# Altium PCB P-MT3620RDB-1-7.PcbDoc (part 2 of 4) (continued)
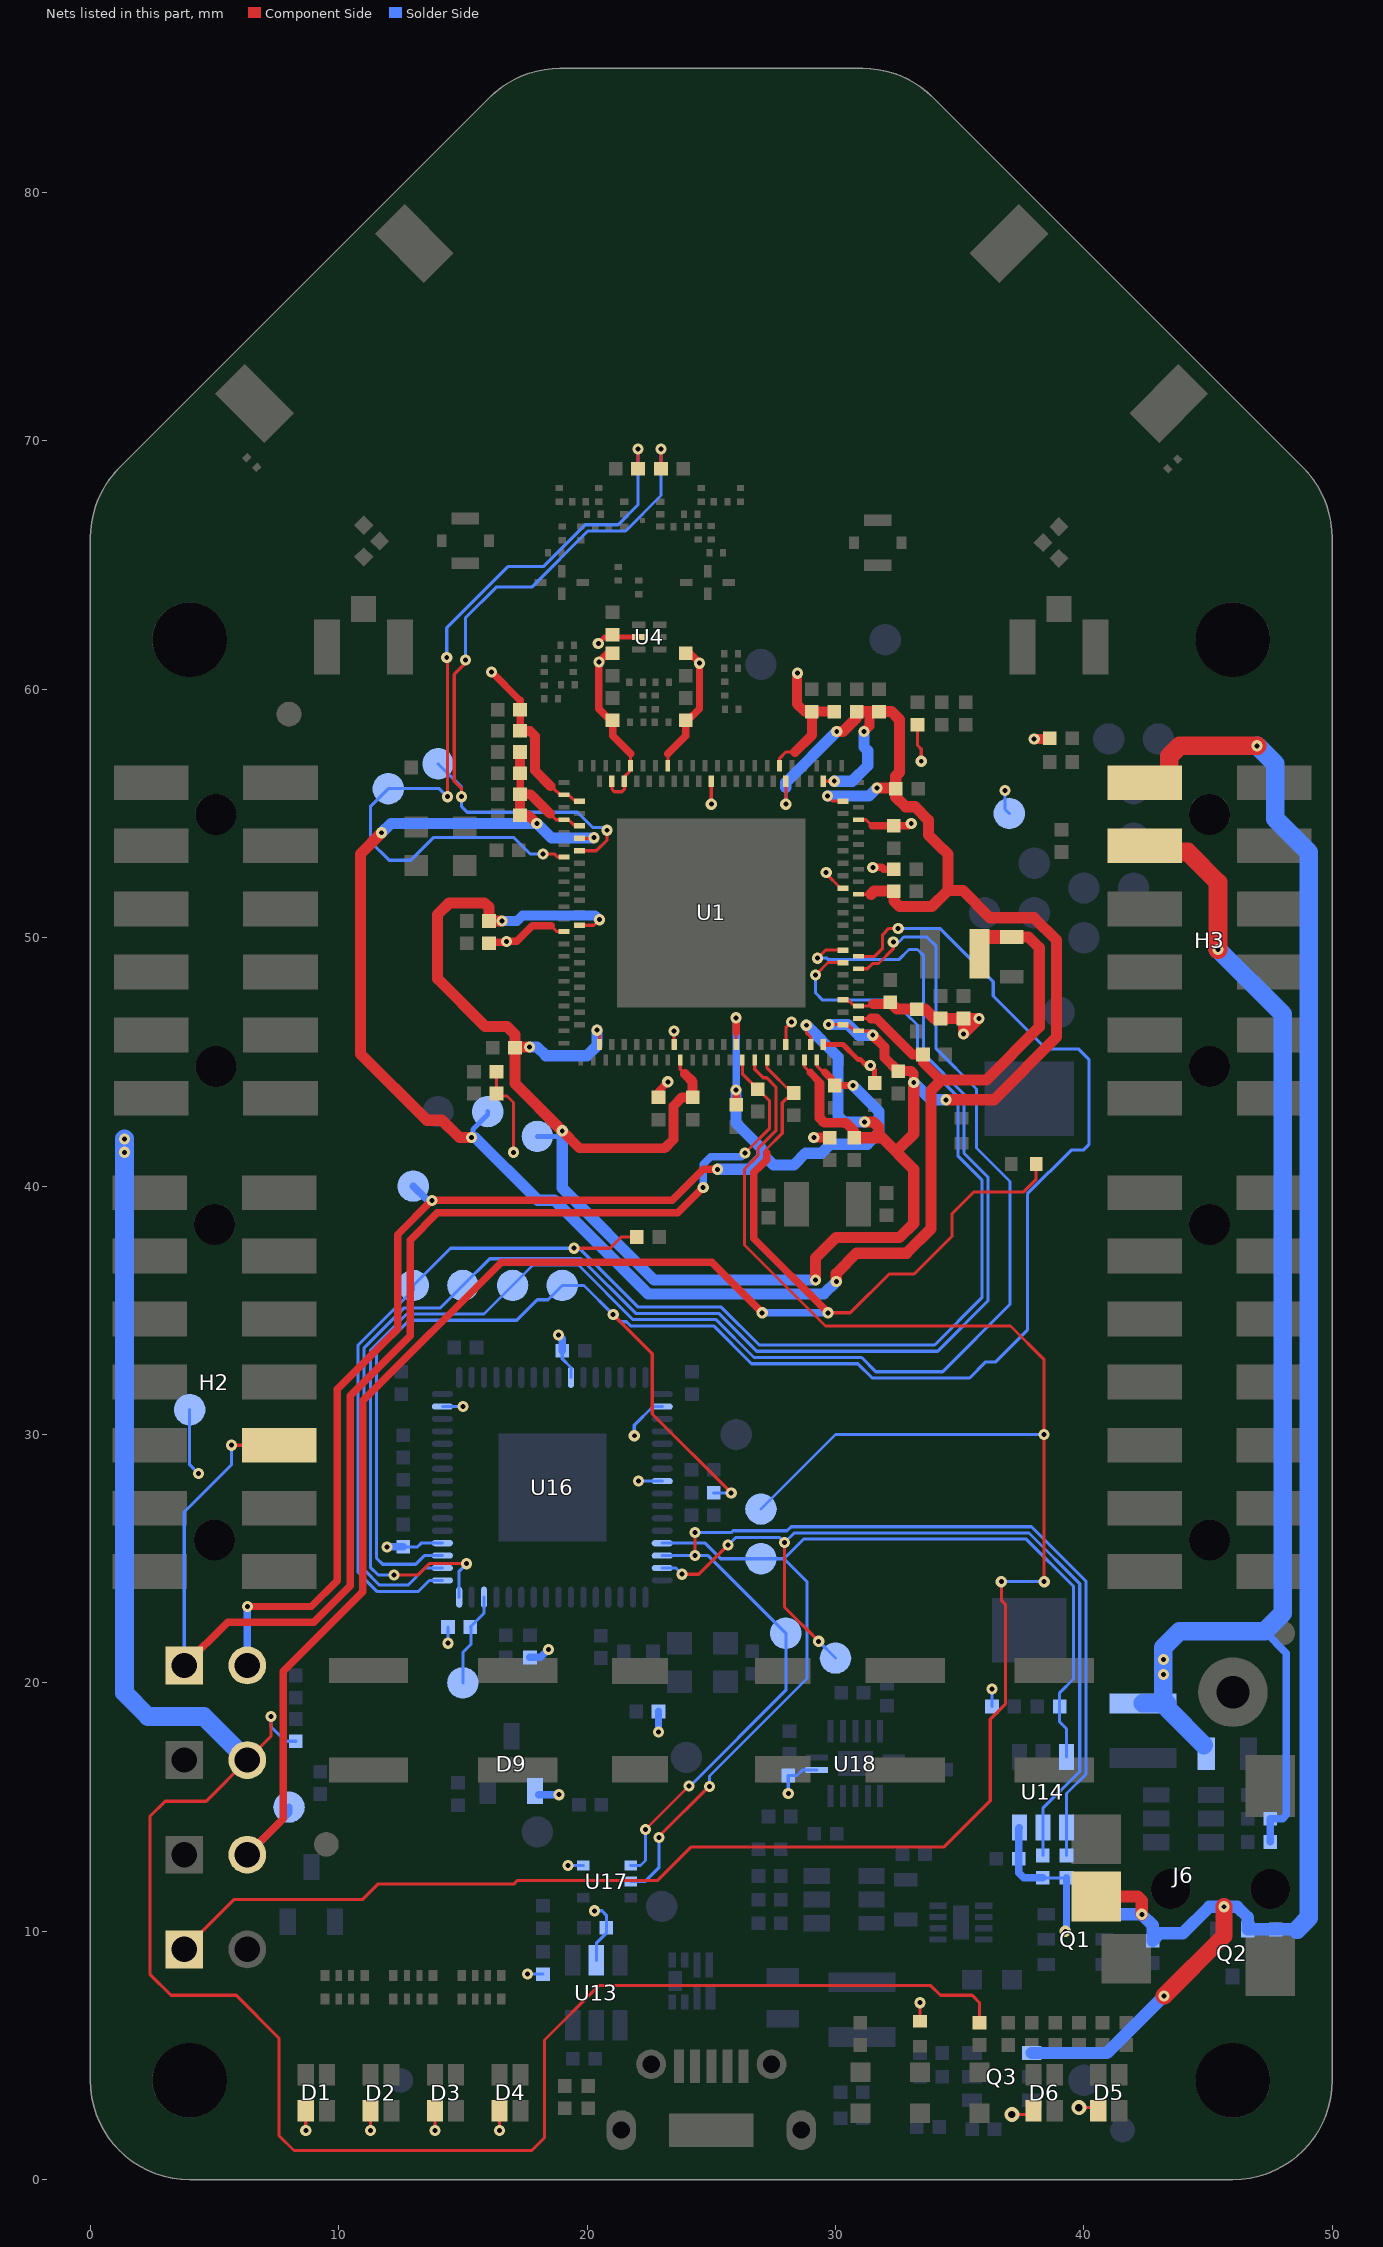
[diagram p4: the nets of this part, all layers, seen from the top]
## Part data (continued)
Q3: library part BCM857DS,115, "BJT ARRAY, DUAL PNP, -45V, -100MA, 6-SOT-457", Case/Package=SOT-457, Collector Base Voltage (VCBO)=50V, Collector Emitter Breakdown Voltage=45V, Emitter Base Voltage (VEBO)=5V, Frequency=175MHz, Manufacturer="NXP Semiconductors", Max Collector Current=100mA, Max Operating Temperature=150°C, Max Power Dissipation=380mW, Min Operating Temperature=-65°C, Package Quantity=1, Supplier Part Number 1=1727-4884-1-ND, Test Current=5mA, Tolerance=5%, Zener Voltage=3.3V, Collector Emitter Voltage (VCEO)=45V, ComponentLink1Description=https://datasheet.ciiva.com/11204/bcm857bv-bs-ds-11204112.pdf, ComponentLink1URL=https://datasheet.ciiva.com/11204/bcm857bv-bs-ds-11204112.pdf, ComponentLink2Description=https://datasheet.ciiva.com/4721/bcm857bv-bs-ds-5-75887-4721904.pdf, ComponentLink2URL=https://datasheet.ciiva.com/4721/bcm857bv-bs-ds-5-75887-4721904.pdf, ComponentLink3Description=https://datasheet.ciiva.com/6366/bcm857bv-bs-ds-6366029.pdf, ComponentLink3URL=https://datasheet.ciiva.com/6366/bcm857bv-bs-ds-6366029.pdf, ComponentLink4Description=https://datasheet.ciiva.com/6366/bcm857bv-bs-ds-6366027.pdf, ComponentLink4URL=https://datasheet.ciiva.com/6366/bcm857bv-bs-ds-6366027.pdf, ComponentLink5Description=https://datasheet.ciiva.com/46397/661087-46397258.pdf, ComponentLink5URL=https://datasheet.ciiva.com/46397/661087-46397258.pdf, ComponentLink6Description=https://datasheet.ciiva.com/16614/bcm857bv-bs-ds-16614863.pdf, ComponentLink6URL=https://datasheet.ciiva.com/16614/bcm857bv-bs-ds-16614863.pdf, ComponentLink7Description=https://datasheet.ciiva.com/8061/661087-8061151.pdf, ComponentLink7URL=https://datasheet.ciiva.com/8061/661087-8061151.pdf, ComponentLink8Description=https://datasheet.ciiva.com/16421/bcm857bv-bs-ds-16421438.pdf, ComponentLink8URL=https://datasheet.ciiva.com/16421/bcm857bv-bs-ds-16421438.pdf, ComponentLink9Description=https://datasheet.ciiva.com/22711/661087-22711606.pdf, ComponentLink9URL=https://datasheet.ciiva.com/22711/661087-22711606.pdf, ComponentLink10Description=https://datasheet.ciiva.com/1258/661087-1258230.pdf, ComponentLink10URL=https://datasheet.ciiva.com/1258/661087-1258230.pdf, ComponentLink11Description=https://datasheet.ciiva.com/1259/bcm857bv-bs-ds-1259154.pdf, ComponentLink11URL=https://datasheet.ciiva.com/1259/bcm857bv-bs-ds-1259154.pdf, ComponentLink12Description=https://datasheet.ciiva.com/6366/bcm857bv-bs-ds-6366025.pdf, ComponentLink12URL=https://datasheet.ciiva.com/6366/bcm857bv-bs-ds-6366025.pdf, ComponentLink13Description=https://datasheet.ciiva.com/5747/661087-5747736.pdf, ComponentLink13URL=https://datasheet.ciiva.com/5747/661087-5747736.pdf, ComponentLink14Description=https://datasheet.ciiva.com/5747/661087-5747735.pdf, ComponentLink14URL=https://datasheet.ciiva.com/5747/661087-5747735.pdf, Contact Plating=Tin, Element Configuration=Dual, Gain Bandwidth Product=175MHz, Height=0.25inch, Lead Free="Lead Free", Length=0.25inch, Manufacturer Part Number=BCM857DS,115, Max Breakdown Voltage=45V, Mount="Surface Mount", Number of elements=2, Number of Pins=6, Packaging="Tape and Reel", Polarity=PNP, Power Dissipation=380mW, Pricing 1="1=0.46, 10=0.343, 100=0.2137, 500=0.1462, 1000=0.1125 (USD)", Radiation Hardening=No, REACH SVHC="No SVHC", Stock 1=369, Supplier 1=Digi-Key, Transition Frequency=175MHz, Weight=0.01lb, Width=0.25inch
R1 R2 R58 R59: library part "0R 0201", "RES SMD 0.0OHM JUMPER 1/20W 0201", Manufacturer="Panasonic Electronic Components", Manufacturer Part Number=ERJ-1GN0R00C, Operating Temperature="-55°C ~ 125°C", Package / Case="0201 (0603 Metric)", Power (Watts)="0.05W, 1/20W", Resistance (Ohms)=0.0, Supplier Device Package=0201, Supplier Part Number 1=P15979CT-ND, Temperature Coefficient=-, Tolerance=Jumper, Category=Resistors, ComponentLink1Description=http://industrial.panasonic.com/www-cgi/jvcr13pz.cgi?E+PZ+3+AOA0001+ERJ1GN0R00C+8+WW, ComponentLink1URL=http://industrial.panasonic.com/www-cgi/jvcr13pz.cgi?E+PZ+3+AOA0001+ERJ1GN0R00C+8+WW, Composition="Thick Film", Features="Automotive AEC-Q200", Height="0.010\" (0.26mm)", NoThermalRelief=true, Number of Terminations=2, Packaging="Cut Tape (CT)", Pricing 1="1=0.07, 50=0.0212, 100=0.0161, 250=0.01196, 500=0.00882, 1000=0.00588, 5000=0.00414 (GBP)", RoHS="RoHS Compliant", Size / Dimension="0.024\" L x 0.012\" W (0.60mm x 0.30mm)", Stock 1=620507, Supplier 1=Digi-Key
R3: library part WSLP0603R0660FEB, "Current Sense Resistors - SMD .4watt .066ohm 1%", Case Code - in=0603, Case Code - mm=1608, Manufacturer="Vishay Dale", Operating Temperature Range="- 65 C to + 170 C", Package / Case="0603 (1608 metric)", Power Rating="400 mW", Resistance="0.066 Ohms", Supplier Part Number 1=WSLPA-.066DKR-ND, Temperature Coefficient="75 PPM / C", Tolerance="1 %", Brand="Vishay / Dale", ComponentLink1Description=https://datasheet.ciiva.com/2504/wslp-2504594.pdf, ComponentLink1URL=https://datasheet.ciiva.com/2504/wslp-2504594.pdf, ComponentLink2Description=https://datasheet.ciiva.com/2504/wslp-2504593.pdf, ComponentLink2URL=https://datasheet.ciiva.com/2504/wslp-2504593.pdf, ComponentLink3Description=https://datasheet.ciiva.com/2504/wslp-2504592.pdf, ComponentLink3URL=https://datasheet.ciiva.com/2504/wslp-2504592.pdf, Factory Pack Quantity=1000, Height="0.33 mm", Length="1.6 mm", Manufacturer Part Number=WSLP0603R0660FEB, Packaging=Reel, Pricing 1="1=1.27, 10=1.125, 25=1.0344, 50=0.9438, 100=0.8168, 250=0.6897, 500=0.5808 (USD)", Product="Metal Foil Current Sensing Resistors", Product Category="Current Sense Resistors - SMD", RoHS=True, Series=WSLP, Stock 1=2036, Supplier 1=Digikey, Technology="Metal Element", Termination Style=SMD/SMT, Tradename="Power Metal Strip", Type="Power Metal Strip Resistors, Very High Power (to 3 W), Low Value (down to 0.0005 Ohms), Surface Mount", Unit Weight="0.000071 oz", Width="0.8 mm"
R4 R33: "RES 150K OHM 1/10W 1% 0402 SMD", Manufacturer="Panasonic Electronic Components", Manufacturer Part Number=ERJ-2RKF1503X, Package / Case="0402 (1005 Metric)", Power (Watts)="0.1W, 1/10W", Supplier Device Package=0402, Supplier Part Number 1=P150KLCT-ND, Temperature Coefficient=±100ppm/°C, Tolerance=±1%, Category=Resistors, ComponentLink1Description=http://industrial.panasonic.com/www-cgi/jvcr13pz.cgi?E+PZ+3+AOA0002+ERJ2RKF1503X+7+WW, ComponentLink1URL=http://industrial.panasonic.com/www-cgi/jvcr13pz.cgi?E+PZ+3+AOA0002+ERJ2RKF1503X+7+WW, Composition="Thick Film", Features=-, Height="0.016\" (0.40mm)", Number of Terminations=2, Packaging="Cut Tape (CT)", Pricing 1="1=0.07, 50=0.0128, 100=0.0097, 250=0.0072, 500=0.00532, 1000=0.00355, 5000=0.0025 (GBP)", Resistance (Ohms)=150K, RoHS="RoHS Compliant", Size / Dimension="0.039\" L x 0.020\" W (1.00mm x 0.50mm)", Stock 1=330002, Supplier 1=Digi-Key
R5 R41: "RES 33.2K OHM 1/10W 1% 0402 SMD", Manufacturer="Panasonic Electronic Components", Manufacturer Part Number=ERJ-2RKF3322X, Package / Case="0402 (1005 Metric)", Power (Watts)="0.1W, 1/10W", Supplier Device Package=0402, Supplier Part Number 1=P33.2KLCT-ND, Temperature Coefficient=±100ppm/°C, Tolerance=±1%, Category=Resistors, ComponentLink1Description=http://industrial.panasonic.com/www-cgi/jvcr13pz.cgi?E+PZ+3+AOA0002+ERJ2RKF3322X+7+WW, ComponentLink1URL=http://industrial.panasonic.com/www-cgi/jvcr13pz.cgi?E+PZ+3+AOA0002+ERJ2RKF3322X+7+WW, Composition="Thick Film", Features=-, Height="0.016\" (0.40mm)", Number of Terminations=2, Packaging="Cut Tape (CT)", Pricing 1="1=0.07, 50=0.0128, 100=0.0097, 250=0.0072, 500=0.00532, 1000=0.00355, 5000=0.0025 (GBP)", Resistance (Ohms)=33.2K, RoHS="RoHS Compliant", Size / Dimension="0.039\" L x 0.020\" W (1.00mm x 0.50mm)", Stock 1=313628, Supplier 1=Digi-Key
R6 R64: "RES 604 OHM 1/10W 1% 0402 SMD", Manufacturer="Panasonic Electronic Components", Manufacturer Part Number=ERJ-2RKF6040X, Package / Case="0402 (1005 Metric)", Power (Watts)="0.1W, 1/10W", Supplier Device Package=0402, Supplier Part Number 1=P604LCT-ND, Temperature Coefficient=±100ppm/°C, Tolerance=±1%, Category=Resistors, ComponentLink1Description=http://industrial.panasonic.com/www-cgi/jvcr13pz.cgi?E+PZ+3+AOA0002+ERJ2RKF6040X+7+WW, ComponentLink1URL=http://industrial.panasonic.com/www-cgi/jvcr13pz.cgi?E+PZ+3+AOA0002+ERJ2RKF6040X+7+WW, Composition="Thick Film", Features=-, Height="0.016\" (0.40mm)", Number of Terminations=2, Packaging="Cut Tape (CT)", Pricing 1="1=0.07, 50=0.0128, 100=0.0097, 250=0.0072, 500=0.00532, 1000=0.00355, 5000=0.0025 (GBP)", Resistance (Ohms)=604R, RoHS="RoHS Compliant", Size / Dimension="0.039\" L x 0.020\" W (1.00mm x 0.50mm)", Stock 1=86930, Supplier 1=Digi-Key
R7 R9 R20 R21 R22 R23 R24 R32 R34 R36 R42 R51 R53 R54 R55 R65 R66: library part 4.7K, "RES 4.7K OHM 1/10W 1% 0402 SMD", Manufacturer="Panasonic Electronic Components", Manufacturer Part Number=ERJ-2RKF4701X, Package / Case="0402 (1005 Metric)", Power (Watts)="0.1W, 1/10W", Supplier Device Package=0402, Supplier Part Number 1=P4.70KLCT-ND, Temperature Coefficient=±100ppm/°C, Tolerance=±1%, Category=Resistors, ComponentLink1Description=http://industrial.panasonic.com/www-cgi/jvcr13pz.cgi?E+PZ+3+AOA0002+ERJ2RKF4701X+7+WW, ComponentLink1URL=http://industrial.panasonic.com/www-cgi/jvcr13pz.cgi?E+PZ+3+AOA0002+ERJ2RKF4701X+7+WW, Composition="Thick Film", Features=-, Height="0.016\" (0.40mm)", Number of Terminations=2, Packaging="Cut Tape (CT)", Pricing 1="1=0.07, 50=0.0128, 100=0.0097, 250=0.0072, 500=0.00532, 1000=0.00355, 5000=0.0025 (GBP)", Resistance (Ohms)=4K7, RoHS="RoHS Compliant", Size / Dimension="0.039\" L x 0.020\" W (1.00mm x 0.50mm)", Stock 1=1251398, Supplier 1=Digi-Key
R8 R40 R43: "RES 100K OHM 1/10W 1% 0402 SMD", Manufacturer="Panasonic Electronic Components", Manufacturer Part Number=ERJ-2RKF1003X, Package / Case="0402 (1005 Metric)", Power (Watts)="0.1W, 1/10W", Supplier Device Package=0402, Supplier Part Number 1=P100KLCT-ND, Temperature Coefficient=±100ppm/°C, Tolerance=±1%, Category=Resistors, ComponentLink1Description=http://industrial.panasonic.com/www-cgi/jvcr13pz.cgi?E+PZ+3+AOA0002+ERJ2RKF1003X+7+WW, ComponentLink1URL=http://industrial.panasonic.com/www-cgi/jvcr13pz.cgi?E+PZ+3+AOA0002+ERJ2RKF1003X+7+WW, Composition="Thick Film", Features=-, Height="0.016\" (0.40mm)", Number of Terminations=2, Packaging="Cut Tape (CT)", Pricing 1="1=0.07, 50=0.0128, 100=0.0097, 250=0.0072, 500=0.00532, 1000=0.00355, 5000=0.0025 (GBP)", Resistance (Ohms)=100K, RoHS="RoHS Compliant", Size / Dimension="0.039\" L x 0.020\" W (1.00mm x 0.50mm)", Stock 1=2310913, Supplier 1=Digi-Key
R10: "RES 523K OHM 1/10W 1% 0402 SMD", Manufacturer="Panasonic Electronic Components", Manufacturer Part Number=ERJ-2RKF5233X, Package / Case="0402 (1005 Metric)", Power (Watts)="0.1W, 1/10W", Supplier Device Package=0402, Supplier Part Number 1=P523KLCT-ND, Temperature Coefficient=±100ppm/°C, Tolerance=±1%, Category=Resistors, ComponentLink1Description=http://industrial.panasonic.com/www-cgi/jvcr13pz.cgi?E+PZ+3+AOA0002+ERJ2RKF5233X+7+WW, ComponentLink1URL=http://industrial.panasonic.com/www-cgi/jvcr13pz.cgi?E+PZ+3+AOA0002+ERJ2RKF5233X+7+WW, Composition="Thick Film", Features=-, Height="0.016\" (0.40mm)", Number of Terminations=2, Packaging="Cut Tape (CT)", Pricing 1="1=0.07, 50=0.0128, 100=0.0097, 250=0.0072, 500=0.00532, 1000=0.00355, 5000=0.0025 (GBP)", Resistance (Ohms)=523K, RoHS="RoHS Compliant", Size / Dimension="0.039\" L x 0.020\" W (1.00mm x 0.50mm)", Stock 1=62611, Supplier 1=Digi-Key
R11: "RES 154K OHM 1/10W 1% 0402 SMD", Manufacturer="Panasonic Electronic Components", Manufacturer Part Number=ERJ-2RKF1543X, Package / Case="0402 (1005 Metric)", Power (Watts)="0.1W, 1/10W", Supplier Device Package=0402, Supplier Part Number 1=P154KLCT-ND, Temperature Coefficient=±100ppm/°C, Tolerance=±1%, Category=Resistors, ComponentLink1Description=http://industrial.panasonic.com/www-cgi/jvcr13pz.cgi?E+PZ+3+AOA0002+ERJ2RKF1543X+7+WW, ComponentLink1URL=http://industrial.panasonic.com/www-cgi/jvcr13pz.cgi?E+PZ+3+AOA0002+ERJ2RKF1543X+7+WW, Composition="Thick Film", Features=-, Height="0.016\" (0.40mm)", Number of Terminations=2, Packaging="Cut Tape (CT)", Pricing 1="1=0.07, 50=0.0128, 100=0.0097, 250=0.0072, 500=0.00532, 1000=0.00355, 5000=0.0025 (GBP)", Resistance (Ohms)=154K, RoHS="RoHS Compliant", Size / Dimension="0.039\" L x 0.020\" W (1.00mm x 0.50mm)", Stock 1=93656, Supplier 1=Digi-Key
R12 R25: "RES 1M OHM 1/10W 1% 0402 SMD", Manufacturer="Panasonic Electronic Components", Manufacturer Part Number=ERJ-2RKF1004X, Package / Case="0402 (1005 Metric)", Power (Watts)="0.1W, 1/10W", Supplier Device Package=0402, Supplier Part Number 1=P1.00MLCT-ND, Temperature Coefficient=±100ppm/°C, Tolerance=±1%, Category=Resistors, ComponentLink1Description=http://industrial.panasonic.com/www-cgi/jvcr13pz.cgi?E+PZ+3+AOA0002+ERJ2RKF1004X+7+WW, ComponentLink1URL=http://industrial.panasonic.com/www-cgi/jvcr13pz.cgi?E+PZ+3+AOA0002+ERJ2RKF1004X+7+WW, Composition="Thick Film", Features=-, Height="0.016\" (0.40mm)", Number of Terminations=2, Packaging="Cut Tape (CT)", Pricing 1="1=0.07, 50=0.0128, 100=0.0097, 250=0.0072, 500=0.00532, 1000=0.00355, 5000=0.0025 (GBP)", Resistance (Ohms)=1M, RoHS="RoHS Compliant", Size / Dimension="0.039\" L x 0.020\" W (1.00mm x 0.50mm)", Stock 1=749171, Supplier 1=Digi-Key
R13 R62: "RES 100 OHM 1/10W 1% 0402 SMD", Manufacturer="Panasonic Electronic Components", Manufacturer Part Number=ERJ-2RKF1000X, Package / Case="0402 (1005 Metric)", Power (Watts)="0.1W, 1/10W", Supplier Device Package=0402, Supplier Part Number 1=P100LCT-ND, Temperature Coefficient=±100ppm/°C, Tolerance=±1%, Category=Resistors, ComponentLink1Description=http://industrial.panasonic.com/www-cgi/jvcr13pz.cgi?E+PZ+3+AOA0002+ERJ2RKF1000X+7+WW, ComponentLink1URL=http://industrial.panasonic.com/www-cgi/jvcr13pz.cgi?E+PZ+3+AOA0002+ERJ2RKF1000X+7+WW, Composition="Thick Film", Features=-, Height="0.016\" (0.40mm)", Number of Terminations=2, Packaging="Cut Tape (CT)", Pricing 1="1=0.07, 50=0.0128, 100=0.0097, 250=0.0072, 500=0.00532, 1000=0.00355, 5000=0.0025 (GBP)", Resistance (Ohms)=100R, RoHS="RoHS Compliant", Size / Dimension="0.039\" L x 0.020\" W (1.00mm x 0.50mm)", Stock 1=3662159, Supplier 1=Digi-Key
R14 R17: "RES 680 OHM 1/10W 1% 0402 SMD", Manufacturer="Panasonic Electronic Components", Manufacturer Part Number=ERJ-2RKF6800X, Package / Case="0402 (1005 Metric)", Power (Watts)="0.1W, 1/10W", Supplier Device Package=0402, Supplier Part Number 1=P680LCT-ND, Temperature Coefficient=±100ppm/°C, Tolerance=±1%, Category=Resistors, ComponentLink1Description=http://industrial.panasonic.com/www-cgi/jvcr13pz.cgi?E+PZ+3+AOA0002+ERJ2RKF6800X+7+WW, ComponentLink1URL=http://industrial.panasonic.com/www-cgi/jvcr13pz.cgi?E+PZ+3+AOA0002+ERJ2RKF6800X+7+WW, Composition="Thick Film", Features=-, Height="0.016\" (0.40mm)", Number of Terminations=2, Packaging="Cut Tape (CT)", Pricing 1="1=0.07, 50=0.0128, 100=0.0097, 250=0.0072, 500=0.00532, 1000=0.00355, 5000=0.0025 (GBP)", Resistance (Ohms)=680R, RoHS="RoHS Compliant", Size / Dimension="0.039\" L x 0.020\" W (1.00mm x 0.50mm)", Stock 1=178651, Supplier 1=Digi-Key
R15 R18: "RES 620 OHM 1/10W 1% 0402 SMD", Manufacturer="Panasonic Electronic Components", Manufacturer Part Number=ERJ-2RKF6200X, Package / Case="0402 (1005 Metric)", Power (Watts)="0.1W, 1/10W", Supplier Device Package=0402, Supplier Part Number 1=P620LCT-ND, Temperature Coefficient=±100ppm/°C, Tolerance=±1%, Category=Resistors, ComponentLink1Description=http://industrial.panasonic.com/www-cgi/jvcr13pz.cgi?E+PZ+3+AOA0002+ERJ2RKF6200X+7+WW, ComponentLink1URL=http://industrial.panasonic.com/www-cgi/jvcr13pz.cgi?E+PZ+3+AOA0002+ERJ2RKF6200X+7+WW, Composition="Thick Film", Features=-, Height="0.016\" (0.40mm)", Number of Terminations=2, Packaging="Cut Tape (CT)", Pricing 1="1=0.07, 50=0.0128, 100=0.0097, 250=0.0072, 500=0.00532, 1000=0.00355, 5000=0.0025 (GBP)", Resistance (Ohms)=620R, RoHS="RoHS Compliant", Size / Dimension="0.039\" L x 0.020\" W (1.00mm x 0.50mm)", Stock 1=96716, Supplier 1=Digi-Key
R16 R19: "RES 300 OHM 1/10W 1% 0402 SMD", Manufacturer="Panasonic Electronic Components", Manufacturer Part Number=ERJ-2RKF3000X, Package / Case="0402 (1005 Metric)", Power (Watts)="0.1W, 1/10W", Supplier Device Package=0402, Supplier Part Number 1=P300LCT-ND, Temperature Coefficient=±100ppm/°C, Tolerance=±1%, Category=Resistors, ComponentLink1Description=http://industrial.panasonic.com/www-cgi/jvcr13pz.cgi?E+PZ+3+AOA0002+ERJ2RKF3000X+7+WW, ComponentLink1URL=http://industrial.panasonic.com/www-cgi/jvcr13pz.cgi?E+PZ+3+AOA0002+ERJ2RKF3000X+7+WW, Composition="Thick Film", Features=-, Height="0.016\" (0.40mm)", Number of Terminations=2, Packaging="Cut Tape (CT)", Pricing 1="1=0.07, 50=0.0128, 100=0.0097, 250=0.0072, 500=0.00532, 1000=0.00355, 5000=0.0025 (GBP)", Resistance (Ohms)=300R, RoHS="RoHS Compliant", Size / Dimension="0.039\" L x 0.020\" W (1.00mm x 0.50mm)", Stock 1=55335, Supplier 1=Digi-Key, Supplier 2=Farnell, Supplier Part Number 2=2302577
R26 R35 R38: "RES 2.2K OHM 1/10W 1% 0402 SMD", Manufacturer="Panasonic Electronic Components", Manufacturer Part Number=ERJ-2RKF2201X, Package / Case="0402 (1005 Metric)", Power (Watts)="0.1W, 1/10W", Supplier Device Package=0402, Supplier Part Number 1=P2.20KLCT-ND, Temperature Coefficient=±100ppm/°C, Tolerance=±1%, Category=Resistors, ComponentLink1Description=http://industrial.panasonic.com/www-cgi/jvcr13pz.cgi?E+PZ+3+AOA0002+ERJ2RKF2201X+7+WW, ComponentLink1URL=http://industrial.panasonic.com/www-cgi/jvcr13pz.cgi?E+PZ+3+AOA0002+ERJ2RKF2201X+7+WW, Composition="Thick Film", Features=-, Height="0.016\" (0.40mm)", Number of Terminations=2, Packaging="Cut Tape (CT)", Pricing 1="1=0.07, 50=0.0128, 100=0.0097, 250=0.0072, 500=0.00532, 1000=0.00355, 5000=0.0025 (GBP)", Resistance (Ohms)=2.2K, RoHS="RoHS Compliant", Size / Dimension="0.039\" L x 0.020\" W (1.00mm x 0.50mm)", Stock 1=529147, Supplier 1=Digi-Key
R27 R28 R29 R31 R56 R57: "RES 10K OHM 1/10W 1% 0402 SMD", Manufacturer="Panasonic Electronic Components", Manufacturer Part Number=ERJ-2RKF1002X, Package / Case="0402 (1005 Metric)", Power (Watts)="0.1W, 1/10W", Supplier Device Package=0402, Supplier Part Number 1=P10.0KLCT-ND, Temperature Coefficient=±100ppm/°C, Tolerance=±1%, Category=Resistors, ComponentLink1Description=http://industrial.panasonic.com/www-cgi/jvcr13pz.cgi?E+PZ+3+AOA0002+ERJ2RKF1002X+7+WW, ComponentLink1URL=http://industrial.panasonic.com/www-cgi/jvcr13pz.cgi?E+PZ+3+AOA0002+ERJ2RKF1002X+7+WW, Composition="Thick Film", Features=-, Height="0.016\" (0.40mm)", Number of Terminations=2, Packaging="Cut Tape (CT)", Pricing 1="1=0.07, 50=0.0128, 100=0.0097, 250=0.0072, 500=0.00532, 1000=0.00355, 5000=0.0025 (GBP)", Resistance (Ohms)=10K, RoHS="RoHS Compliant", Size / Dimension="0.039\" L x 0.020\" W (1.00mm x 0.50mm)", Stock 1=4805447, Supplier 1=Digi-Key
R30: "RES 12K OHM 1/10W 1% 0402 SMD", Manufacturer="Panasonic Electronic Components", Manufacturer Part Number=ERJ-2RKF1202X, Package / Case="0402 (1005 Metric)", Power (Watts)="0.1W, 1/10W", Supplier Device Package=0402, Supplier Part Number 1=P12.0KLCT-ND, Temperature Coefficient=±100ppm/°C, Tolerance=±1%, Category=Resistors, ComponentLink1Description=http://industrial.panasonic.com/www-cgi/jvcr13pz.cgi?E+PZ+3+AOA0002+ERJ2RKF1202X+7+WW, ComponentLink1URL=http://industrial.panasonic.com/www-cgi/jvcr13pz.cgi?E+PZ+3+AOA0002+ERJ2RKF1202X+7+WW, Composition="Thick Film", Features=-, Height="0.016\" (0.40mm)", Number of Terminations=2, Packaging="Cut Tape (CT)", Pricing 1="1=0.07, 50=0.0128, 100=0.0097, 250=0.0072, 500=0.00532, 1000=0.00355, 5000=0.0025 (GBP)", Resistance (Ohms)=12K, RoHS="RoHS Compliant", Size / Dimension="0.039\" L x 0.020\" W (1.00mm x 0.50mm)", Stock 1=165467, Supplier 1=Digi-Key
R37 R39 R44 R45 R46 R47 R48 R49 R50: "RES 33 OHM 1/10W 1% 0402 SMD", Manufacturer="Panasonic Electronic Components", Manufacturer Part Number=ERJ-2RKF33R0X, Package / Case="0402 (1005 Metric)", Power (Watts)="0.1W, 1/10W", Supplier Device Package=0402, Supplier Part Number 1=P33.0LCT-ND, Temperature Coefficient=±100ppm/°C, Tolerance=±1%, Category=Resistors, ComponentLink1Description=http://industrial.panasonic.com/www-cgi/jvcr13pz.cgi?E+PZ+3+AOA0002+ERJ2RKF33R0X+7+WW, ComponentLink1URL=http://industrial.panasonic.com/www-cgi/jvcr13pz.cgi?E+PZ+3+AOA0002+ERJ2RKF33R0X+7+WW, Composition="Thick Film", Features=-, Height="0.016\" (0.40mm)", Number of Terminations=2, Packaging="Cut Tape (CT)", Pricing 1="1=0.07, 50=0.0128, 100=0.0097, 250=0.0072, 500=0.00532, 1000=0.00355, 5000=0.0025 (GBP)", Resistance (Ohms)=33R, RoHS="RoHS Compliant", Size / Dimension="0.039\" L x 0.020\" W (1.00mm x 0.50mm)", Stock 1=533394, Supplier 1=Digi-Key
R60: "RES 0.0 OHM 1/10W JUMP 0402 SMD", Manufacturer="Panasonic Electronic Components", Manufacturer Part Number=ERJ-2GE0R00X, Package / Case="0402 (1005 Metric)", Power (Watts)="0.1W, 1/10W", Supplier Device Package=0402, Supplier Part Number 1=P0.0JCT-ND, Temperature Coefficient=-, Tolerance=Jumper, Category=Resistors, ComponentLink1Description=http://industrial.panasonic.com/www-cgi/jvcr13pz.cgi?E+PZ+3+AOA0001+ERJ2GE0R00X+7+WW, ComponentLink1URL=http://industrial.panasonic.com/www-cgi/jvcr13pz.cgi?E+PZ+3+AOA0001+ERJ2GE0R00X+7+WW, Composition="Thick Film", Features=-, Height="0.016\" (0.40mm)", Number of Terminations=2, Packaging="Cut Tape (CT)", Pricing 1="1=0.07, 50=0.009, 100=0.0069, 250=0.00508, 500=0.00376, 1000=0.00251, 5000=0.00176 (GBP)", Resistance (Ohms)=0R, RoHS="RoHS Compliant", Size / Dimension="0.039\" L x 0.020\" W (1.00mm x 0.50mm)", Stock 1=8025371, Supplier 1=Digi-Key
R61: "RES 10.2 OHM 1/10W 1% 0402 SMD", Manufacturer="Panasonic Electronic Components", Manufacturer Part Number=ERJ-2RKF10R2X, Package / Case="0402 (1005 Metric)", Power (Watts)="0.1W, 1/10W", Supplier Device Package=0402, Supplier Part Number 1=P10.2LCT-ND, Temperature Coefficient=±100ppm/°C, Tolerance=±1%, Category=Resistors, ComponentLink1Description=http://industrial.panasonic.com/www-cgi/jvcr13pz.cgi?E+PZ+3+AOA0002+ERJ2RKF10R2X+7+WW, ComponentLink1URL=http://industrial.panasonic.com/www-cgi/jvcr13pz.cgi?E+PZ+3+AOA0002+ERJ2RKF10R2X+7+WW, Composition="Thick Film", Features=-, Height="0.016\" (0.40mm)", Number of Terminations=2, Packaging="Cut Tape (CT)", Pricing 1="1=0.07, 50=0.0128, 100=0.0097, 250=0.0072, 500=0.00532, 1000=0.00355, 5000=0.0025 (GBP)", Resistance (Ohms)=10.2R, RoHS="RoHS Compliant", Size / Dimension="0.039\" L x 0.020\" W (1.00mm x 0.50mm)", Stock 1=45026, Supplier 1=Digi-Key
R63: "RES 470 OHM 1/10W 1% 0402 SMD", Manufacturer="Panasonic Electronic Components", Manufacturer Part Number=ERJ-2RKF4700X, Package / Case="0402 (1005 Metric)", Power (Watts)="0.1W, 1/10W", Supplier Device Package=0402, Supplier Part Number 1=P470LCT-ND, Temperature Coefficient=±100ppm/°C, Tolerance=±1%, Category=Resistors, ComponentLink1Description=http://industrial.panasonic.com/www-cgi/jvcr13pz.cgi?E+PZ+3+AOA0002+ERJ2RKF4700X+7+WW, ComponentLink1URL=http://industrial.panasonic.com/www-cgi/jvcr13pz.cgi?E+PZ+3+AOA0002+ERJ2RKF4700X+7+WW, Composition="Thick Film", Features=-, Height="0.016\" (0.40mm)", Number of Terminations=2, Packaging="Cut Tape (CT)", Pricing 1="1=0.07, 50=0.0128, 100=0.0097, 250=0.0072, 500=0.00532, 1000=0.00355, 5000=0.0025 (GBP)", Resistance (Ohms)=470R, RoHS="RoHS Compliant", Size / Dimension="0.039\" L x 0.020\" W (1.00mm x 0.50mm)", Stock 1=454004, Supplier 1=Digi-Key
RP1: library part EXB-N8V681JX, "Res Thick Film Array 680 Ohm 5% ±200ppm/C ISOL Molded 8-Pin 0804(4 X 0402) Concave SMD Punched Carrier T/R", Manufacturer="Panasonic / Panasonic ECG", Number of Resistors=4, Operating Temperature="-55 to 125 °C", Package Type=SMD, Resistance value="680 Ohm", Supplier Part Number 1=Y10681CT-ND, Temperature Coefficient="±200 ppm/°C", Circuit Designator=ISOL, ComponentLink1Description=http://media.digikey.com/pdf/Data%20Sheets/Panasonic%20Resistors%20Thermistors%20PDFs/EXB_Series.pdf, ComponentLink1URL=http://media.digikey.com/pdf/Data%20Sheets/Panasonic%20Resistors%20Thermistors%20PDFs/EXB_Series.pdf, ComponentLink2Description=http://www.mouser.com/ds/2/315/panasonic_EXB141824283438-586695.pdf, ComponentLink2URL=http://www.mouser.com/ds/2/315/panasonic_EXB141824283438-586695.pdf, ComponentLink3Description=http://components.arrow.com/part/dataview/41800606S9783363N1386, ComponentLink3URL=http://components.arrow.com/part/dataview/41800606S9783363N1386, ComponentLink4Description=http://www.onlinecomponents.com/datasheet/exb-n8v681jx.aspx?p=44463794, ComponentLink4URL=http://www.onlinecomponents.com/datasheet/exb-n8v681jx.aspx?p=44463794, ComponentLink5Description=http://industrial.panasonic.com/www-data/pdf/AOC0000/AOC0000CE1.pdf, ComponentLink5URL=http://industrial.panasonic.com/www-data/pdf/AOC0000/AOC0000CE1.pdf, Manufacturer Part Number=EXB-N8V681JX, Number of Terminals=8, Packaging="Tape & Reel", Pricing 1="1=0.1, 10=0.075, 25=0.0544, 50=0.0414, 100=0.0305, 250=0.0233, 500=0.0186, 1000=0.0137, 5000=0.0098 (USD)", Rad Hard=No, Stock 1=52666, Supplier 1=Digikey, Technology="Thick Film", Type=Array
RP2: library part EXB-N8V621JX, "Res Thick Film Array 620 Ohm 5% 200ppm/C ISOL Molded 8-Pin 0804(4 X 0402) Concave SMD Punched Carrier T/R", Case/Package=0804, Manufacturer="Panasonic ECG", Max Operating Temperature=125°C, Min Operating Temperature=-55°C, Number of Resistors=4, Package Quantity=1, Power Per Element=31mW, Supplier Part Number 1=Y10621CT-ND, Temperature Coefficient=200ppm/°C, Tolerance=5%, Voltage Rating=50V, Voltage Rating (DC)=100V, Circuit Type=Isolated, ComponentLink1Description=http://www.mouser.com/ds/2/315/panasonic_EXB141824283438-586695.pdf, ComponentLink1URL=http://www.mouser.com/ds/2/315/panasonic_EXB141824283438-586695.pdf, ComponentLink2Description=http://www.onlinecomponents.com/datasheet/exb-n8v621jx.aspx?p=44463790, ComponentLink2URL=http://www.onlinecomponents.com/datasheet/exb-n8v621jx.aspx?p=44463790, ComponentLink3Description=http://industrial.panasonic.com/www-data/pdf/AOC0000/AOC0000CE1.pdf, ComponentLink3URL=http://industrial.panasonic.com/www-data/pdf/AOC0000/AOC0000CE1.pdf, ComponentLink4Description=//media.digikey.com/pdf/Data%20Sheets/Panasonic%20Resistors%20Thermistors%20PDFs/EXB_Series.pdf, ComponentLink4URL=//media.digikey.com/pdf/Data%20Sheets/Panasonic%20Resistors%20Thermistors%20PDFs/EXB_Series.pdf, Composition="Thick Film", Height=0.022inch, Length=0.079inch, Manufacturer Part Number=EXB-N8V621JX, Mount="Surface Mount", Number of Contacts=8, Number of Pins=8, Number of Terminals=8, Packaging="Tape and Reel", Pricing 1="1=0.1, 10=0.067, 25=0.0464, 50=0.0362, 100=0.0259, 250=0.0202, 500=0.016, 1000=0.0114, 5000=0.0088 (USD)", Radiation Hardening=No, Resistance=620R, Stock 1=7980, Supplier 1=Digi-Key, Terminal Pitch=0.5mm, Termination=SMD/SMT, Width=0.039inch
RP3: library part EXB-N8V301JX, "Res Thick Film Array 300 Ohm 5% 200ppm/C ISOL Molded 8-Pin 0804(4 X 0402) Concave SMD Punched Carrier T/R", Manufacturer="Panasonic / Panasonic ECG", Resistance value=300, Supplier Part Number 1=Y10301DKR-ND, Temperature Coefficient="200ppm/ C", Tolerance=5%, ComponentLink1Description=http://media.digikey.com/pdf/Data%20Sheets/Panasonic%20Resistors%20Thermistors%20PDFs/EXB_Series.pdf, ComponentLink1URL=http://media.digikey.com/pdf/Data%20Sheets/Panasonic%20Resistors%20Thermistors%20PDFs/EXB_Series.pdf, ComponentLink2Description=http://www.mouser.com/ds/2/315/panasonic_EXB141824283438-586695.pdf, ComponentLink2URL=http://www.mouser.com/ds/2/315/panasonic_EXB141824283438-586695.pdf, ComponentLink3Description=http://www.onlinecomponents.com/datasheet/exb-n8v301jx.aspx?p=44463745, ComponentLink3URL=http://www.onlinecomponents.com/datasheet/exb-n8v301jx.aspx?p=44463745, ComponentLink4Description=http://industrial.panasonic.com/www-data/pdf/AOC0000/AOC0000CE1.pdf, ComponentLink4URL=http://industrial.panasonic.com/www-data/pdf/AOC0000/AOC0000CE1.pdf, Height=0.45mm, Length=2mm, Manufacturer Part Number=EXB-N8V301JX, Number of elements=4, Pricing 1="1=0.1, 10=0.075, 25=0.0544, 50=0.0414, 100=0.0305, 250=0.0233, 500=0.0186, 1000=0.0137, 5000=0.0098 (USD)", Stock 1=2400, Supplier 1=Digikey, Width=1mm
SW1: library part DHT-1158, Manufacturer Part Number 1=DHT-1158
SW2 SW3: "PANASONIC - EVQQ2P03W - SWITCH, SPNO, SMD", Manufacturer=PANASONIC, Manufacturer Part Number=EVQQ2P03W, Max Contact Current DC=20, Max Contact Voltage AC=250, Max Contact Voltage DC=15, Supplier Part Number 1=9962859RL, Category="Switches & Relays", ComponentLink1Description=http://www.farnell.com/datasheets/28111.pdf, ComponentLink1URL=http://www.farnell.com/datasheets/28111.pdf, Contact Configuration=SPNO, Pricing 1="1=0.38, 50=0.29, 100=0.23 (GBP)", RoHS=YES, Series=EVQQ2, Stock 1=3989, Supplier 1=Farnell, Switch Function Type="SPST Push", Terminal Type=SMD
U1: Manufacturer="MediaTek Inc.", Do Not Substitute=true, Manufacturer 1="MediaTek Inc.", Manufacturer Part Number=MT3620AN, Manufacturer Part Number 1=MT3620AN, Supplier 1="MediaTek Inc.", Supplier Part Number 1=MT3620AN
U2 U3: "Diplexer", Manufacturer 1=ACX, Do Not Substitute=true, Manufacturer Part Number 1=DP1608-A2455SC, Mounting Type="Surface Mount", NoThermalRelief=true, Pricing 1="1500=0.1 (USD)", Supplier Part Number 1=DP1608-A2455SC
  U2: Supplier=ACX
  U3: Supplier 1=ACX
U4: "Balun", Manufacturer 1=ACX, Do Not Substitute=true, Manufacturer Part Number 1=BL1608-05A2450TB, Mounting Type="Surface Mount", NoThermalRelief=true, Pricing 1="1500=0.1 (USD)", Supplier 1=ACX, Supplier Part Number 1=BL1608-05A2450TB
U5: "RF SWITCH", Frequency - Lower=100MHz, Frequency - Upper=6GHz, Insertion Loss @ Frequency="0.9dB @ 6GHz", Isolation @ Frequency="14dB @ 6GHz (typ)", Manufacturer="Skyworks Solutions Inc.", Operating Temperature="-40°C ~ 85°C", Package / Case="6-XFDFN Exposed Pad", Supplier Device Package="6-MLPD (1.5x1.5)", Supplier Part Number 1=863-1455-1-ND, Voltage - Supply=-, Category="RF/IF and RFID", Circuit=DPDT, ComponentLink1Description=http://www.skyworksinc.com/uploads/documents/201665B.pdf, ComponentLink1URL=http://www.skyworksinc.com/uploads/documents/201665B.pdf, Features=-, IIP3="50dBm (typ)", Impedance="50 Ohm", Manufacturer Part Number=SKY13411-374LF, NoThermalRelief=true, P1dB="30dBm (typ) IP1dB", Packaging="Cut Tape (CT)", Pricing 1="1=0.31, 100=0.2478 (GBP)", RF Type=802.11a/b/g/n, RoHS="RoHS Compliant", Stock 1=13260, Supplier 1=Digi-Key, Topology=Reflective
U8: library part LTC4361CDC-1#TRMPBF, "LINEAR TECHNOLOGY LTC4361CDC-1#TRMPBF IC, OVERVOLTAGE/CUR PROT, 8DFN", Current Limit=-, Manufacturer="Linear Technology", Operating Temperature="0°C ~ 70°C", Package / Case="8-WFDFN Exposed Pad", Standard Package=1, Supplier Device Package="8-DFN (2x2)", Supplier Part Number 1=LTC4361CDC-1#TRMPBFDKR-ND, Voltage - Supply="2.5 V ~ 5.5 V", Applications="General Purpose", Category="Integrated Circuits (ICs)", ComponentLink1Description=https://datasheet.ciiva.com/1511/1692593-1511384.pdf, ComponentLink1URL=https://datasheet.ciiva.com/1511/1692593-1511384.pdf, ComponentLink2Description=https://datasheet.ciiva.com/1941/29266-1941720.pdf, ComponentLink2URL=https://datasheet.ciiva.com/1941/29266-1941720.pdf, ComponentLink3Description=https://datasheet.ciiva.com/1941/29266-1941721.pdf, ComponentLink3URL=https://datasheet.ciiva.com/1941/29266-1941721.pdf, ComponentLink4Description=https://datasheet.ciiva.com/1569/1441932-1569140.pdf, ComponentLink4URL=https://datasheet.ciiva.com/1569/1441932-1569140.pdf, ComponentLink5Description=https://datasheet.ciiva.com/1569/1441932-1569141.pdf, ComponentLink5URL=https://datasheet.ciiva.com/1569/1441932-1569141.pdf, ComponentLink6Description=https://datasheet.ciiva.com/1941/29266-1941719.pdf, ComponentLink6URL=https://datasheet.ciiva.com/1941/29266-1941719.pdf, Dynamic Catalog="Overvoltage, Overcurrent Protection", Family="PMIC - Hot Swap, PoE Controllers", Featured Product="LTC436x Series Overvoltage / Overcurrent Protection Controllers", Internal Switch(s)=No, Manufacturer Part Number=LTC4361CDC-1#TRMPBF, Mounting Type="Surface Mount", Other Names=LTC4361CDC-1#TRMPBFCT, Packaging="Cut Tape (CT)", Pricing 1="1=3.46, 25=3.0904, 100=2.04, 250=1.87 (USD)", Product Training Modules="LTC4360 LTC4361 LTC4362 Overview", Series=-, Stock 1=274, Supplier 1=Digikey, Type="Overvoltage and Overcurrent Controller"